# Altium PCB controller_V1.3.PcbDoc (part 2 of 6)
Units mil, origin at the board's own origin, x right, y up, seen from the top; angles counter-clockwise.
Board outline 9606 x 5905.51 mil, 2 copper layers (Top Layer, Bottom Layer); 441 components, 367 nets, 1496 pads, 5349 vias.
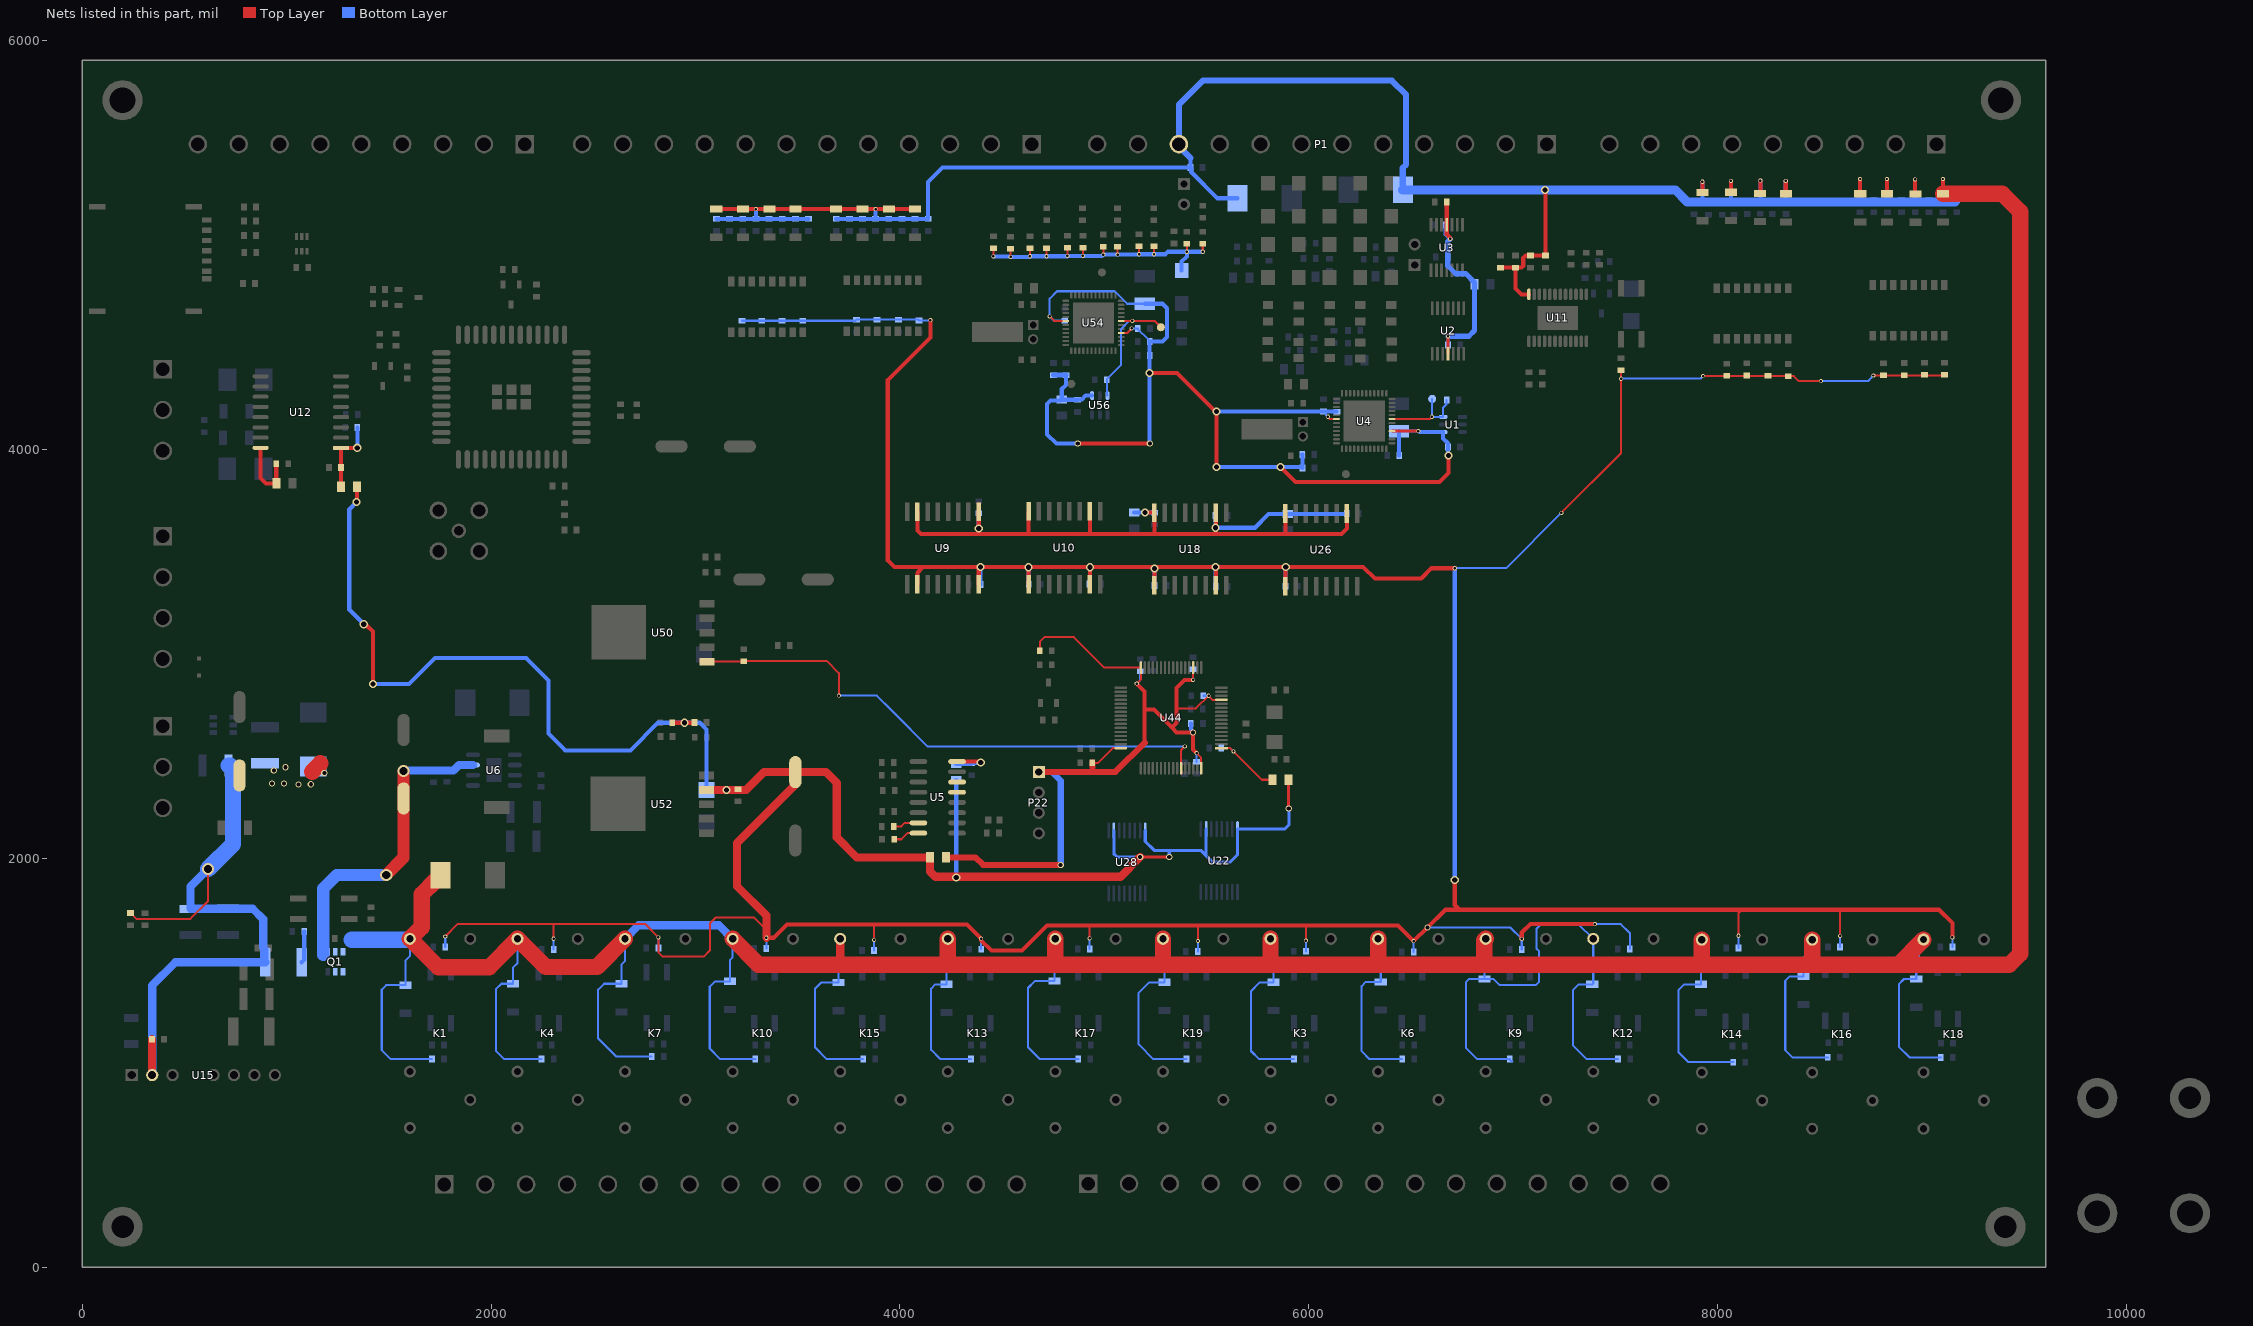
[diagram p2: the nets of this part, all layers, seen from the top]

## Part data
C1 C15 C27 C35 C36 C37 C38 C39 C40 C41 C54 C62 C67 C68 C87 C88 C89 C90 C91 C93 C95 C96 C98 C102 C104 C106 C107 C109 C110 C111 C112 C118 C137 C143 C144 C145 C156 C162: library part CAP, "Capacitor"
C2 C3 C4 C5 C6 C7 C8 C13 C16 C17 C18 C19 C20 C21 C22 C23 C24 C25 C26 C43 C47 C48 C49 C56 C57 C58 C59 C63 C65 C73 C76 C78 C79 C80 C84 C85 C86 C108 C114 C115 C116 C117 C119 C120 C121 C122 C123 C124 C125 C126 C127 C128 C133 C134 C135 C136 C138 C141 C146 C147 C151 C153 C157 C159 C160 C161 C163 C164 C165 C166 C167 C168 C169: library part Cap, "Capacitor", LatestRevisionDate=17-Jul-2002, LatestRevisionNote="Re-released for DXP Platform.", PackageReference=RAD-0.3, Published=8-Jun-2000, Publisher="Altium Limited"
  C2 C3 C4 C5 C6 C7 C8 C13 C16 C17 C18 C19 C20 C21 C22 C23 C24 C25 C26 C43 C47 C48 C49 C56 C57 C58 C59 C63 C65 C73 C76 C78 C79 C80 C84 C85 C86 C108 C114 C115 C116 C117 C119 C120 C121 C122 C123 C124 C125 C126 C127 C128 C133 C134 C135 C136 C138 C141 C146 C147 C151 C153 C157 C159 C160 C161 C163 C164 C165 C166 C167: PackageDescription="Radial Cap, Thru-Hole; 2 Leads; 0.3 in Pin Spacing"
C9 C10 C11 C12 C14: library part C
C44 C113 C142 E138 E147: library part "Cap Pol1", "Polarized Capacitor (Radial)", LatestRevisionDate=17-Jul-2002, LatestRevisionNote="Re-released for DXP Platform.", PackageReference=RB7.6-15, Published=8-Jun-2000, Publisher="Altium Limited"
C45 C46: library part C, "C"
D1 D2 D3 D5 D6 D7 D9 D10 D11 D12 D72: library part Diode, "Default Diode", Code_JEDEC=DO-214-AB, LatestRevisionDate=17-Jul-2002, LatestRevisionNote="Re-released for DXP Platform.", PackageReference=SMC, PackageVersion=Sep-1996, Published=8-Jun-2000, Publisher="Altium Limited"
D4 D13 D14 D15 D16 D17 D18 D19 D20 D21 D23 D24 D25 D27 D28 D29 D30 D31 D32 D33 D34 D36 D37 D38 D39 D40 D41 D42 D43 D45 D49: "VISHAY,LL4148,圆柱体MiniMELF100V/2A,ROHS", 制造商=VISHAY, 名称=快速开关二极管, 版本=V1.00, 物料编号=APLLY
D8: library part "Diode 1N4001", "1 Amp General Purpose Rectifier", Code_JEDEC=DO-204-AL, ComponentLink1Description="Manufacturer Link", ComponentLink1URL=http://www.fairchildsemi.com/, ComponentLink2Description=Datasheet, ComponentLink2URL=http://www.fairchildsemi.com/ds/1N%2F1N4001.pdf, DatasheetVersion=1998, LatestRevisionDate=17-Jul-2002, LatestRevisionNote="Re-released for DXP Platform.", PackageReference=DO-41, PackageVersion=Aug-1999, Published=8-Jun-2000, Publisher="Altium Limited"
D22: library part "D Zener", "Zener Diode", LatestRevisionDate=17-Jul-2002, LatestRevisionNote="Re-released for DXP Platform.", PackageReference=DIODE-0.7, Published=8-Jun-2000, Publisher="Altium Limited"
D26 D35 D69 D71 D78 D79: library part "DIODE S", "Schottky Diode"
D52 D75 D76: library part "D Zener", "SMBJ36CA", LatestRevisionDate=17-Jul-2002, LatestRevisionNote="Re-released for DXP Platform.", PackageReference=DIODE-0.7, Published=8-Jun-2000, Publisher="Altium Limited"
E13 E14: library part ELECTRO1, "Electrolytic Capacitor"
F1 F2 F3 F4 F7 F8: library part "Fuse 1", "Fuse", LatestRevisionDate=17-Jul-2002, LatestRevisionNote="Re-released for DXP Platform.", PackageReference=PIN-W2/E2.8, Published=8-Jun-2000, Publisher="Altium Limited"
  F1 F2 F3 F4: PackageDescription="Thru-Hole; 2 Leads"
FB1 FB2 FB3 FB4 FB5 FB6 FB7 FB8 FB9: library part FB, FB=BLM18BD102SN1(muRata), Part Field 1="磁珠/0603/1K ohm/100MHz", Text Field1=FB
K1 K3 K4 K6 K7 K9 K10 K12 K13 K14 K15 K16 K17 K18 K19: library part Relay-SPDT, "Single-Pole Dual-Throw Relay", LatestRevisionDate=17-Jul-2002, LatestRevisionNote="Re-released for DXP Platform.", PackageReference=MODULE5B, Published=24-Mar-1999, Publisher="Altium Limited"
L3: library part INDUCTOR
LED2 LED17: library part LED
P1 P5: "Header, 12-Pin", LatestRevisionDate=17-Jul-2002, LatestRevisionNote="Re-released for DXP Platform.", Publisher="Altium Limited"
P2 P4: "Header, 2-Pin", LatestRevisionDate=17-Jul-2002, LatestRevisionNote="Re-released for DXP Platform.", Publisher="Altium Limited"
P3 P11: "Header, 9-Pin", LatestRevisionDate=17-Jul-2002, LatestRevisionNote="Re-released for DXP Platform.", Publisher="Altium Limited"
P6 P10: "Header, 3-Pin", LatestRevisionDate=17-Jul-2002, LatestRevisionNote="Re-released for DXP Platform.", Publisher="Altium Limited"
P7 P8: "Header, 15-Pin", LatestRevisionDate=17-Jul-2002, LatestRevisionNote="Re-released for DXP Platform.", Publisher="Altium Limited"
P9 P22: "Header, 4-Pin", LatestRevisionDate=17-Jul-2002, LatestRevisionNote="Re-released for DXP Platform.", Publisher="Altium Limited"
P24: "Header, 5-Pin", LatestRevisionDate=17-Jul-2002, LatestRevisionNote="Re-released for DXP Platform.", Publisher="Altium Limited"
Q1 Q2: "Automotive P-Channel MOSFET, 6.9 A, 40 V, -55 to 175 degC, 6-Pin TSOP, RoHS, Tape and Reel", Drain-Source On Resistance-Max=112mO, Drain-to-Source Voltage [Vdss]=40V, Manufacturer="International Rectifier", Package Description="6-Pin Thin Small Outline Package, Body 3 x 1.65 mm, Pitch 1.00 mm", Package Reference=TSOP-6, Rated Power Dissipation=2W, Channel Type=P-Channel, Datasheet URL=https://www.vishay.com/docs/65332/sq3419aeev.pdf, Datasheet Version=04/2010, Manufacturer URL=https://www.vishay.com/, Mounting Technology=SurfaceMount, Qg Gate Charge=25nC
Q3 Q4 Q5 Q6 Q11: library part NPN_MMBT3904
R1 R2 R3 R4 R5 R6 R7 R8 R9 R10 R11 R12 R13 R14 R15 R16 R17 R18 R19 R20 R22 R23 R24 R25 R27 R28 R29 R30 R31 R32 R33 R34 R35 R36 R38 R41 R42 R43 R44 R45 R46 R47 R48 R71 R72 R73 R75 R80 R81 R82 R86 R87 R89 R92 R93 R96 R97 R105 R108 R109 R113 R114 R115 R116 R117 R118 R122 R123 R125 R126 R129 R133 R137 R141 R145 R149 R151 R153 R155 R157 R159 R168 R189 R190: library part Res0805M
R21 R26: library part R
R37 R40 R64 R162 R163 R164 R165 R166 R170 R171: library part RES0603, ID=233, 制造商=三星/YAGEO, 参数值=1.00E+04, 器件等级=——, 工作温度="–55°C to 155°C", 序号=109, 物料主编码(PN)=150000040, 物料名称=贴片电阻, 物料描述=RES,贴片电阻,0603,10k,±1%,1/10W,1.6X0.8X0.45mm,RC1608F103CS/RC0603FR-0710KL, 物料类型=表贴电阻, 精度=±1%, 规格型号(完整型号)=RC1608F103CS/RC0603FR-0710KL
R39 R76 R102 R110 R180 R181 R183 R184 R185 R186 R192 R193 R194 R195 R199 R200 R204 R205 R206 R207 R211 R212 R216 R217 R218 R219 R223 R224 R227: library part R, "R"
R49 R106 R107 R124 R127 R128 R131 R135 R139 R142 R147 R150 R152 R154 R156 R158 R160: library part RES2
R111 R120 R121 R226: library part Res2, "Resistor", LatestRevisionDate=17-Jul-2002, LatestRevisionNote="Re-released for DXP Platform.", PackageReference=AXIAL-0.4, Published=8-Jun-2000, Publisher="Altium Limited"
R179: library part Res1, "Resistor", LatestRevisionDate=17-Jul-2002, LatestRevisionNote="Re-released for DXP Platform.", PackageReference=AXIAL-0.3, Published=8-Jun-2000, Publisher="Altium Limited"
U1 U56: "2.5V Micropower SOT-23  Low Dropout Reference"
U2 U3: library part MAX908EPD, "Quad High-speed, Ultra Low-power, Single-Supply TTL comparator", Code_JEDEC=MS-001-AC, ComponentLink1Description="Manufacturer Link", ComponentLink1URL=http://www.maxim-ic.com/, ComponentLink2Description=Datasheet, ComponentLink2URL=http://pdfserv.maxim-ic.com/en/ds/MAX907-MAX909.pdf, DatasheetVersion=Jul-1994, LatestRevisionDate=29-May-2009, LatestRevisionNote="Component Body Added.", PackageDescription="DIP, 14-Pin, Row Spacing 7.62 mm, Pitch 2.54 mm", PackageReference=PD14, PackageVersion="RevB, 21-0043", Published=16-Jan-2001, Publisher="Altium Limited"
U4 U54: "16-Channel, 16-Bit Analog-to-Digital Converter"
U6: library part LM22676MR-5.0
U7 U8 U17 U25: library part TLP281-4
U15: library part VRB2405S-6WR3_1, input voltage (Vdc)=18V~36V, Insulated Voltage=1600V, JLCPCB Part Class="Extended Part", LCSC Part Name="DC-DC 输入电压18V~36V 输出电压5V输出功率6W1200mA", Manufacturer=YLPTEC(易川), Maximum Capacitive Load=1000uF, Output Current (Max)=1200mA, Output Voltage=5V, Power=6W, Add into BOM=yes, Conversion Efficiency=83%, Convert to PCB=yes, Datasheet=https://atta.szlcsc.com/upload/public/pdf/source/20230612/8A284C0EB4CAD53F2D8A542BA70C1C2A.pdf, Device=VRB2405S-6WR3_1, Manufacturer Part=VRB2405S-6WR3, Number of channel=1, Protective function=短路保护；低功耗, Supplier=LCSC, Supplier Footprint=SIP-8, Supplier Part=C5369848, Symbol=VRB2405S-6WR3_C5369848, Type=降压型
U16 U19 U20 U21 U23 U29 U31 U33 U35 U37 U38 U39 U40 U41 U42 U45 U46: library part Optoisolator1, "4-Pin Phototransistor Optocoupler", DatasheetVersion=Nov-2003, LatestRevisionDate=04-Mar-2005, LatestRevisionNote="Sch pins 3 & 4 Swapped.", PackageReference=DIP-4, Published=24-Mar-1999, Publisher="Altium Limited"
U22 U28: library part 74HC595
U26: library part ISO7241C
U44: "ARM Cortex-M4 32-bit MCU+FPU, 210 DMIPS, 1024 kB Flash, 192 kB Internal RAM, 51 I/Os, 64-pin LQFP, -40 to 85 degC, Tray", I/Os (High Current)=51, Manufacturer=STMicroelectronics, Operating Frequency(F) (Processor speed) (MHz)=168, Supplier Part Number 1=497-11767-ND, Supply Voltage(Vcc) max (V)=3.6, Supply Voltage(Vcc) min (V)=1.8, ComponentLink1Description="Manufacturer URL", ComponentLink1URL=http://www.st.com/web/en/home.html, ComponentLink2Description=Datasheet, ComponentLink2URL=http://www.st.com/st-web-ui/static/active/en/resource/technical/document/datasheet/DM00037051.pdf, ComponentLink3Description="Package Specification", ComponentLink3URL=http://www.st.com/st-web-ui/static/active/en/resource/technical/document/datasheet/DM00037051.pdf, Core="ARM Cortex-M4", D/A Converter=2x12-bit, DatasheetVersion="Rev. 4", FLASH Size (Prog) (kB)=1024, Internal RAM Size (kB)=192, Mounting Technology="Surface Mount", PackageDescription="64-Pin Low Profile Quad Flat Package, 10 x 10 mm Body, 0.5 mm Pitch", PackageReference=LQFP64, PackageVersion="Rev. 4, 06/2013", Packing=Tray, PartNumber=STM32F405RGT6, Supplier 1=Digi-Key, Supplier 2=Farnell, Supplier 3=Newark, Supplier 4=Mouser, Supplier Part Number 2=2064363, Supplier Part Number 3=73T2329, Supplier Part Number 4=511-STM32F405RGT6
X2 X3: library part XTAL, "Crystal Oscillator", LatestRevisionDate=17-Jul-2002, LatestRevisionNote="Re-released for DXP Platform.", PackageReference=R38, Published=8-Jun-2000, Publisher="Altium Limited"
Y1: library part CRYSTAL, "HC49S-8MHz"
LD1 LD3: ID=6, 制造商=Everlight, 器件等级=——, 工作温度="–40°C to 85°C", 序号=33, 物料主编码(PN)=100000032, 物料名称=绿色LED, 物料描述=Other,LED,绿色,0603,1.6X0.8X0.4mm,19-217/G7C-AN1P2/3T, 物料类型=特殊二极管, 规格型号(完整型号)=19-217/G7C-AN1P2/3T
U13: PCB DECAL=AIR780EX

## Via types
v1: diameter 20, hole 12, Top Layer to Bottom Layer, tented both sides, 5236 vias
v2: diameter 23.62, hole 11.81, Top Layer to Bottom Layer, 50 vias
v3: diameter 40, hole 25, Top Layer to Bottom Layer, tented both sides, 39 vias
v4: diameter 30, hole 20, Top Layer to Bottom Layer, tented both sides, 16 vias
v5: diameter 60, hole 40, Top Layer to Bottom Layer, tented both sides, 7 vias
v6: diameter 59.06, hole 39.37, Top Layer to Bottom Layer, 1 vias

## Nets (pads, with @x,y where several pads share a name; then routed paths per layer and width w, separated by ;. In a path a pad name is that pad's centre, name@x,y a point inside that pad or via, vN(x,y) a via of type N, cw(c..) or ccw(c..) an arc to the next point about the centre after c; other vN are vias at no path point)
2.5VREFM: C1.1 TP1.1 U1.6 U4.31 | length 433.1
  Top Layer w10: U4.31@6407.99,4148.84 6591.84,4148.84 v1(6603,4160)
  Bottom Layer w10: TP1.1@6604.74,4247.27 6604.74,4161.74 v1(6603,4160) 6603.6,4159.4 U1.6@6658.45,4159.4 6658.45,4205.35 6675.69,4222.59 C1.1@6675.69,4242
2.5VREFM2: C156.1 TP6.1 U54.31 U56.6 | length 633
  Top Layer w10: U54.31@5082.99,4628.84 5246.01,4628.84 TP6.1@5276.85,4598
  Bottom Layer w10: U56.6@5015.57,4263.66 5014.37,4264.86 5014.37,4340.22 C156.1@5013.17,4341.42 5013.17,4344.37 5082.99,4414.2 5082.99,4589.47 5122.36,4628.84 v1(5137.35,4628.84)
3.3V_ISO: C57.1 C73.1 C146.2 C147.2 C161.2 C163.2 C166.2 D71.2 E147.1 FB5.1 FB6.1 FB7.2 FB9.1 R10.1 R16.1 R32.1 R34.1 R36.1 R41.1 R43.1 R47.1 R82.1 R87.1 R93.1 R97.1 R106.2 R107.2 R109.1 R114.1 R116.1 R118.1 R124.2 R127.2 R128.2 R131.2 R135.2 R139.2 R142.2 R147.2 R150.2 R152.2 R154.2 R156.2 R158.2 R160.2 R184.2 R185.1 U9.10 U9.16 U10.1 U10.7 U18.1 U18.7 U22.10 U22.16 U26.1 U28.10 U28.16 U52.4 | length 30823.2
  Top Layer w10: v1(1775.85,1617.15) 1837.7,1679 2753,1679 v1(2818.85,1613.15) 2818.85,1539.15 2839,1519 3041,1519 3071,1549 3071,1682 3098,1709 3287,1709 3346.85,1649.15 ; v1(2305.85,1606.15) 2305.85,1676.85 ; v1(3873.85,1600.15) 3873.85,1673.15 ; v1(4928.91,1608.15) 4928.91,1668.09 ; v1(5457.91,1595.15) 5457.91,1669.91 ; v1(5986.91,1597.15) 5986.91,1664.91 ; v1(7237,3690) 7528.54,3981.54 v1(7528.54,4346.15) R106.2@7528.54,4387.05 ; v1(7930,4359) 8045.06,4359 R47.1@8046,4359.94 R41.1@8248,4359.94 8346,4359.94 R36.1@8347,4358.94 8374.06,4358.94 8399,4334 v1(8506,4334) ; v1(8103.28,1620.72) 8103.28,1732.28 8119,1748 ; 8591,1748 8600.06,1738.94 v1(8600.06,1620.06) ; v1(8763,4362) 8764,4363 R34.1@8812,4363 9109,4363 R10.1@9112,4366
  Top Layer w15: v4(5176,2006) v4(5318,2006) ; FB6.1@5901.85,2384 5901.85,2244.15 v4(5903,2243)
  Top Layer w20: v3(1342,3743) 1343.74,3744.74 FB7.2@1343.74,3818 ; v3(1377,3145) 1382.41,3145 1392.41,3135 1396,3135 1422,3109 v3(1422,2852) ; R184.2@2886.91,2663 v3(2946,2663) 2994,2663 R185.1@2995,2664 ; v1(3346.85,1611.15) 3383.15,1611.15 3448,1676 4329,1676 v1(4397.85,1607.15) 4397.85,1598.5 4448.35,1548 4597,1548 4720,1671 6437.06,1671 v1(6513.91,1594.15) v4@6581.38,1661.62 ; U9.10@4085.85,3339.9 4085.85,3396.85 4114,3425 ; v1(4149.61,4633.14) 4149.61,4548.7 3941,4340.09 3941,3457 3973,3425 4114,3425 ; U9.16@4385.85,3339.9 v3@4385.85,3413.85 ; U10.1@4629.85,3340.9 v3@4629.85,3416.15 ; U10.7@4929.85,3340.9 v3(4929.85,3423.85) ; U18.1@5245.85,3334.9 v3(5245.85,3417.85) ; U18.7@5545.85,3334.9 v3@5545.85,3422.15 ; U26.1@5886.85,3330.87 5886.85,3423.85 v3(5888,3425) ; v4(6582,1661) 6669,1748 6737.84,1748 ; v3(6715,1894) 6715,1770.84 6737.84,1748 ; v1(6715,3419) 6602,3419 6551,3368 6324,3368 6267,3425 v3(5888,3425) ; v1(7042.85,1605.15) 7042.85,1635.85 7085,1678 v1(7401,1678) ; v1(9150,1613) 9150,1683 9085,1748 8591,1748 8119,1748 6737.84,1748 ; 4114,3425 v3(5545,3425) v3(5888,3425)
  Top Layer w40: U52.4@3054.52,2334.15 3248.15,2334.15 3335.32,2421.32 E147.1@3488.85,2421.32 ; v1(3346.85,1611.15) 3346.85,1649.15 3346.85,1719.15 3203,1863 3203,2074 3488.85,2359.85 E147.1@3488.85,2421.32 ; v4(5176,2006) 5079,1909 4174,1909 4148,1935 FB5.1@4148,2004 3789,2004 3691.61,2101.39 3691.61,2368.39 3638.68,2421.32 E147.1@3488.85,2421.32
  Bottom Layer w10: R107.2@1775.85,1565 v1(1775.85,1617.15) ; R127.2@2305.85,1554 v1(2305.85,1606.15) ; R131.2@2818.85,1561 v1(2818.85,1613.15) ; R97.1@3227.18,4629.79 R93.1@3324.06,4629.79 R87.1@3423.5,4629.79 R82.1@3525,4629.79 R118.1@3783.47,4629.79 ; R135.2@3346.85,1559 v1(3346.85,1611.15) ; R118.1@3788.47,4634.79 R116.1@3888.94,4634.79 R114.1@3993,4634.79 4090.27,4634.79 R109.1@4094,4631.06 4147.52,4631.06 v1(4149.61,4633.14) ; R142.2@3873.85,1548 v1(3873.85,1600.15) ; R139.2@4397.85,1555 v1(4397.85,1607.15) ; R147.2@4928.91,1556 v1(4928.91,1608.15) ; R150.2@5457.91,1543 v1(5457.91,1595.15) ; R152.2@5986.91,1545 v1(5986.91,1597.15) ; R154.2@6513.91,1542 v1(6513.91,1594.15) ; v4(6582,1661) 6987,1661 v1(7042.85,1605.15) R156.2@7042.85,1553 ; v1(6715,3419) 6966,3419 v1(7237,3690) ; v1(7401,1678) 7528,1678 7571.91,1634.09 R158.2@7571.91,1556 ; v1(7528.54,4346.15) 7917.15,4346.15 v1(7930,4359) ; R160.2@8103.28,1560.38 v1(8103.28,1620.72) ; v1(8506,4334) 8737.03,4334 8753.75,4350.72 8753.75,4352.75 v1(8763,4362) ; R124.2@8600.06,1566.15 v1(8600.06,1620.06) ; R128.2@9150.06,1565.15 v1@9150.06,1612.94
  Bottom Layer w15: U28.10@5047.26,2135 5047.26,2021.74 5063,2006 v4(5176,2006) ; U28.16@5200.8,2135 5200.8,2082.2 5244.56,2038.44 5319,2038.44 ; v4(5318,2006) 5318,2037.44 5319,2038.44 ; U22.10@5498.67,2142.09 5498.67,2012.21 ; v4(5903,2243) 5903,2163 5882.09,2142.09 U22.16@5652.21,2142.09 5652.21,2017.21 5617.5,1982.5 5528.38,1982.5 5498.67,2012.21 ; 5319,2038.44 5472.44,2038.44 5498.67,2012.21
  Bottom Layer w20: v3(1342,3743) 1306,3707 1306,3216 v3(1377,3145) ; v3(1422,2852) 1599,2852 1726,2979 2172,2979 2281,2870 2281,2610 2363,2528 2682,2528 2817,2663 v3(2946,2663) 3021,2663 3054.52,2629.48 D71.2@3054.52,2334.15 ; v3(4276,1906) FB9.1@4276,2383 ; C163.2@4394.91,3339.9 v3(4394.91,3424.91) ; C57.1@4629.85,3340.9 v3(4629.85,3423.85) ; C147.2@4929.85,3340.9 v3(4929.85,3423.85) ; C166.2@5245.85,3334.9 v3(5245.85,3417.85) ; C161.2@5544.8,3329 v3@5544.8,3425 ; C73.1@5886.85,3330.87 v3@5886.85,3425 ; v3(6715,1894) v1(6715,3419)
  Bottom Layer w30: D71.2@3054.52,2334.15 v3(3151.34,2334.15)
3.3V_ISO_AD: D72.2 R192.2 R193.2 R194.2 R195.2 R204.2 R205.2 R206.2 R207.2 R216.2 R217.2 R218.2 R219.2 | length 1615.8
  Top Layer w10: v1(4457.51,4944.49) R217.2@4457.51,4983.79 ; v1(4541.51,4942.23) R216.2@4541.51,4981.53 ; v1(4636.51,4945.33) R195.2@4636.51,4984.63 ; v1(4717.51,4945.39) R194.2@4717.51,4984.69 ; v1(4819.51,4947.33) R205.2@4819.51,4986.63 ; v1(4895.51,4947.33) R204.2@4895.51,4986.63 ; v1(4995.51,4953.33) R207.2@4995.51,4992.63 ; v1(5065.51,4953.33) R206.2@5065.51,4992.63 ; v1(5170.51,4955.33) R219.2@5170.51,4994.63 ; v1(5243.51,4955.33) R218.2@5243.51,4994.63 ; v1(5403.95,4967.49) R193.2@5403.95,5006.79 ; v1(5481.95,4967.49) R192.2@5481.95,5006.79
  Top Layer w15: R217.2@4457.51,4983.79 R217.2@4458.64,4982.66 ; R216.2@4540.38,4982.66 R216.2@4541.51,4981.53 R216.2@4543.09,4983.11 ; R194.2@4715.93,4983.11 R194.2@4717.51,4984.69 R194.2@4718.48,4985.66
  Bottom Layer w20: v1(4457.51,4944.49) 4539.25,4944.49 v1(4541.51,4942.23) 4633.41,4942.23 v1(4636.51,4945.33) 4817.51,4945.33 v1(4819.51,4947.33) v1(4895.51,4947.33) 4989.51,4947.33 v1(4995.51,4953.33) v1(5065.51,4953.33) v1@5168.51,4953.33 ; v1(5170.51,4955.33) v1(5243.51,4955.33) 5300.33,4955.33 5312.49,4967.49 v1(5403.95,4967.49) ; D72.2@5379,4875.71 5379,4920 5403.95,4944.95 v1(5403.95,4967.49) ; v1(5481.95,4967.49) v1(5403.95,4967.49)
3.3V_MCU: C123.2 C124.2 C125.2 C126.2 C127.2 FB5.2 LD1.1 P22.1 R168.2 U44.13 U44.19 U44.32 U44.48 U44.64 | length 4279.4
  Top Layer w10: LD1.1@4685,3015 4685,3059.69 4706.87,3081.56 4851.44,3081.56 5000.3,2932.7 U44.32@5179.25,2932.7 5179.25,2874.25 v1(5159,2854) ; C126.2@4942.06,2467 4970,2467 5042,2539 U44.48@5080.83,2539 ; 5353,2733 5448.55,2733 v1(5510.55,2795) ; v1(5434.85,2872.45) 5435.16,2872.75 U44.19@5435.16,2932.7 ; v1(5452,2514) 5474.53,2491.47 U44.64@5474.53,2440.57 ; v1@5510.55,2794 5529.33,2775.22 U44.13@5572.95,2775.22
  Top Layer w20: v1(5159,2854) 5198,2815 5198,2727 ; 5198,2565 5198,2727 ; v1(5434.85,2872.45) 5393.45,2872.45 5353,2832 5353,2733 5353,2661 5331,2639 ; v1(5452,2514) 5434.85,2531.15 v4(5434.85,2616) 5354,2616 5331,2639 ; 5198,2727 5243,2727 5331,2639
  Top Layer w30: FB5.2@4226.74,2004 4370,2004 4407,1967 v4(4787,1967) ; P22.1@4680,2422 5055,2422 5198,2565 ; 4942.06,2443.4 C126.2@4942.06,2467
  Bottom Layer w10: v1(5159,2854) 5175.85,2870.85 C124.2@5175.85,2914.94 ; v1(5434.85,2872.45) C123.2@5434.85,2923.94 ; C127.2@5452,2472.06 v1(5452,2514) ; C125.2@5485.01,2795 v1(5510.55,2795)
  Bottom Layer w20: R168.2@5423.9,2659 5423.9,2626.95 v4(5434.85,2616)
  Bottom Layer w30: P22.1@4680,2422 4744,2422 4787,2379 4787,2217 ; v4(4787,1967) 4787,2217 ; 4787,2289 4787,2217
3.3V_MCU_AD: C128.2 FB6.2 U44.1 | length 381.6
  Top Layer w10: U44.1@5572.95,2539 5616,2539 5771,2384 FB6.2@5823.11,2384
  Bottom Layer w10: C128.2@5572.01,2539 5616,2539 v1(5632.47,2522.53)
3.8V_EN: R183.2 U44.59 U50.1 | length 2753.7
  Top Layer w10: U50.1@3057.07,2961.47 3233.47,2961.47 R183.2@3236,2964 3644,2964 3702,2906 v1(3702,2796) ; U44.59@5376.1,2440.57 5375.79,2440.89 5375.79,2528.79 v1(5394,2547)
  Bottom Layer w10: v1(3702,2796) 3887,2796 3970,2713 ; 3925,2758 3970,2713 ; v1(5394,2547) 5393,2546 5126,2546 4137,2546 3970,2713
5V_F: C47.2 C49.2 C58.2 FB4.2 R24.2 U2.4 U3.4 | length 1072.8
  Top Layer w15: U2.4@6682,4469 v1(6682,4554)
  Top Layer w20: R24.2@6676,5211 U3.4@6676,5099 6676,5052 6693,5035 v1(6693,5030)
  Bottom Layer w15: C49.2@6681.94,4511 v1@6681.97,4553.97
  Bottom Layer w20: C47.2@6671.08,5099 6671.08,5051.92 v1(6693,5030)
  Bottom Layer w25: C58.2@6680.76,4941.24 C58.2@6680.5,4941.5 ; v1(6682,4554) 6784,4554 6812,4582 6812,4817 6769.5,4859.5 6720,4859.5 6680.5,4899.01 C58.2@6680.5,4941.5 ; v1(6693,5030) 6680.5,5017.5 C58.2@6680.5,4941.5
5VA: C2.2 C84.2 C85.2 C86.2 C121.2 C133.2 C157.2 E13.1 E14.1 FB2.2 R19.1 R20.1 R73.1 R75.1 R189.1 R190.1 U1.4 U4.6 U4.28 U54.6 U54.28 U56.4 | length 6264.4
  Top Layer w10: v1(4733,4651) 4755.16,4628.84 U54.6@4811.34,4628.84 ; U54.28@5082.99,4569.79 5111.79,4569.79 v1(5134,4592) ; v1(6094,4160) 6092.04,4160 6103.2,4148.84 U4.6@6136.34,4148.84
  Top Layer w15: U4.28@6407.99,4089.79 v1(6536.79,4089.79)
  Top Layer w20: v4(4870.38,4028.46) 4871.92,4030 v4(5223,4030) ; v3(5222.17,4374) 5356,4374 v3@5549,4181 ; v3(5549,3915) v3@5549,4181 ; v3(5549.06,4185.94) v3@5549,4181 ; v3(5862,3915) 5936,3841 6640,3841 6684,3885 v3(6684,3970)
  Bottom Layer w10: C86.2@4807.17,4629.95 4754.05,4629.95 v1(4733,4651) 4733,4738.19 4768.84,4774.03 5051.14,4774.03 5112.17,4713 E13.1@5198.85,4713 ; v1(5134,4592) C85.2@5164.8,4592 5164.8,4589.05 5213.11,4540.73 5213.39,4540.73 5222.17,4531.95 R19.1@5222.17,4529 ; C133.2@6085.78,4172.17 6085.78,4166.26 6092.04,4160 v1(6094,4160) ; C121.2@6137,4185.94 C121.2@6139,4183.94
  Bottom Layer w15: E14.1@6442.17,4089 6442.95,4089.79 v1(6536.79,4089.79)
  Bottom Layer w20: R75.1@4812.17,4364 4812.17,4316.17 4792.17,4296.17 FB2.2@4792.17,4244.16 ; v4(4870.38,4028.46) 4765.54,4028.46 4720,4074 4720,4223 4736.58,4239.58 4787.58,4239.58 FB2.2@4792.17,4244.16 ; U56.4@4940.76,4263.66 4909.46,4263.66 4890.82,4245.02 4870.03,4245.02 4868.35,4243.34 4792.98,4243.34 FB2.2@4792.17,4244.16 ; E13.1@5198.85,4713 5285,4713 5307,4691 5307,4550 5286,4529 R19.1@5222.17,4529 R189.1@5222.17,4459 v3(5222.17,4374) 5222.17,4030.83 v4(5223,4030) ; v3(5549,3915) v3(5862,3915) 5963.94,3915 R73.1@5969.94,3909 5969.94,3974.06 R20.1@5969,3975 ; v3(5549.06,4185.94) C133.2@6072,4185.94 C121.2@6137,4185.94 ; E14.1@6442.17,4089 6443.06,4088.11 C84.2@6443.06,3970 ; v1(6536.79,4089.79) 6541.98,4084.6 U1.4@6658.45,4084.6 6658.45,4053.65 6681.64,4030.46 C2.2@6681.64,4012 6681.64,3972.36 v3(6684,3970)
  Bottom Layer w25: R190.1@4752.17,4364 R75.1@4812.17,4364
5VD_F: C138.2 C160.2 C164.2 C165.2 FB1.2 FB3.2 U9.1 U9.7 U10.10 U10.16 U18.10 U18.16 U26.10 U26.16 | length 3847.1
  Top Layer w20: U9.7@4085.85,3695.9 4085.85,3604.15 4103,3587 6161,3587 6186.85,3612.85 U26.10@6186.85,3686.87 ; 4385.85,3587.15 U9.1@4385.85,3695.9 ; 4629.85,3596.15 U10.16@4629.85,3696.9 ; 4929.85,3592.15 U10.10@4929.85,3696.9 ; v3(5200.1,3690.9) U18.16@5245.85,3690.9 5245.85,3591.85 ; 5545.85,3590.15 U18.10@5545.85,3690.9 ; 5886.85,3590.15 U26.16@5886.85,3686.87
  Bottom Layer w20: v3(4386,3613) C138.2@4386,3687.94 ; FB3.2@5146.85,3690.74 5245.69,3690.74 C165.2@5246,3691.06 ; C164.2@5543.94,3677 v3(5543.94,3617.06) 5737.06,3617.06 5803.74,3683.74 FB1.2@5896.85,3683.74 6183.72,3683.74 C160.2@6186.85,3686.87
24V_F: C54.2 E138.1 F4.2 Q1.4 R25.2 R179.2 U6.7 | length 1713.6
  Top Layer w60: v5(1487,1918) 1572,2003 E138.1@1572,2292.68 1572,2426 v5(1571,2427)
  Bottom Layer w20: F4.2@1073,1491 1086.06,1504.06 R25.2@1086.06,1641
  Bottom Layer w40: v5(1571,2427) 1574,2430 C54.2@1717.85,2430 1816.91,2430 1842.91,2456 U6.7@1911.49,2456
  Bottom Layer w60: 1178.94,1526.27 1178.94,1851.94 1245,1918 v5(1487,1918)
24V_FO: C16.1 C18.1 C19.1 C20.1 C22.1 C23.1 C24.1 C26.1 C35.2 C36.2 C37.2 C56.1 C63.1 C65.1 C76.1 C78.1 C79.1 C80.1 C96.2 C108.1 C167.2 D4.2 D13.2 D14.2 D15.2 D16.2 D17.2 D18.2 D19.2 D20.2 D21.2 D23.2 D24.2 D25.2 D27.2 D28.2 D29.2 D30.2 D31.2 D32.2 D33.2 D34.2 D36.2 D37.2 D38.2 D39.2 D40.2 D41.2 D42.2 D43.2 D45.2 D49.2 D52.2 D75.2 D76.2 K1.4 K3.4 K4.4 K6.4 K7.4 K9.4 K10.4 K12.4 K13.4 K14.4 K15.4 K16.4 K17.4 K18.4 K19.4 P1.10 Q1.1 Q1.2 Q1.5 Q1.6 R9.2 R15.2 R31.2 R33.2 R35.2 R38.2 R42.2 R46.2 R81.2 R86.2 R92.2 R96.2 R108.2 R113.2 R115.2 R117.2 R122.2 R123.2 R125.2 R126.2 R129.2 R133.2 R137.2 R141.2 R145.2 R149.2 R151.2 R153.2 R155.2 R157.2 R159.2 U11.24 | length 38822
  Top Layer w20: D15.2@3101.61,5176.01 D14.2@3231.61,5176.01 D4.2@3488.61,5176.01 D18.2@3688.61,5176.01 D17.2@3816.61,5176.01 D16.2@3946.61,5176.01 D45.2@4074.61,5176.01 ; C37.2@6938.54,4889.95 C36.2@7011.87,4889.95 ; U11.24@7077.79,4759.16 7040.84,4759.16 7011.87,4788.13 C36.2@7011.87,4889.95 ; v3@7158.54,5269.53 C35.2@7158.54,4949 C96.2@7085.2,4949 7062.55,4949 7050,4936.45 7050,4898 7041.95,4889.95 C36.2@7011.87,4889.95 ; D43.2@7927,5256.9 v1(7927,5310) ; D42.2@8066,5257.9 v1(8066,5314) ; D41.2@8208,5252.9 8210,5254.9 v1(8210,5315) ; v1(8334.52,5313.94) 8334.52,5252.37 D40.2@8336,5250.9 ; v1(8698.51,5323.38) 8698.51,5251.39 D39.2@8699,5250.9 ; v1(8829.51,5323.38) 8829.51,5251.39 D38.2@8830,5250.9 ; v1(8967.86,5321.86) 8967.86,5249.86 D37.2@8968.35,5249.37 ; v1(9103.51,5323.38) 9103.51,5251.39 D36.2@9104,5250.9
  Top Layer w25: 3707,1479 3708.2,1480.2 3708.2,1520
  Top Layer w40: 3708.2,1520 K15.4@3708.2,1605.61
  Top Layer w80: D52.2@1753,1916 1753,1900.25 1743.79,1891.04 1728.04,1891.04 1660.42,1823.42 1660.42,1663.17 K1.4@1602.85,1605.61 1741.46,1467 1990.58,1467 K4.4@2129.17,1605.61 2266.8,1468 2517.92,1468 K7.4@2655.53,1605.61 ; K10.4@3181.87,1605.61 3308.47,1479 3707,1479 4234.54,1479 ; K13.4@4234.54,1605.61 4234.54,1479 ; K17.4@4760.88,1605.61 4760.88,1479 ; K19.4@5287.22,1605.61 5287.22,1479 ; K3.4@5813.56,1605.61 5813.56,1479 ; K6.4@6339.9,1605.61 6339.9,1479 ; K9.4@6866.24,1605.61 6859.85,1599.22 6859.85,1479 ; K14.4@7924,1601.61 7924,1487 7916,1479 ; K16.4@8463.72,1601.61 8463.72,1487.72 8455,1479 ; K18.4@9008.72,1602 8885.72,1479 ; D36.2@9104,5250.9 9394.1,5250.9 9482,5163 9482,1533 9428,1479 8885.72,1479 ; 4234.54,1479 4760.88,1479 ; 4760.88,1479 5287.22,1479 ; 5287.22,1479 5813.56,1479 ; 5813.56,1479 6339.9,1479 ; 6339.9,1479 6859.85,1479 ; 6859.85,1479 7916,1479 ; 7916,1479 8455,1479 ; 8455,1479 8885.72,1479
  Bottom Layer w10: K1.4@1602.85,1605.61 1602.85,1520.85 1580.85,1498.85 D49.2@1580.85,1378.9 1486.9,1378.9 1465,1357 1465,1061 1508.69,1017.31 R122.2@1710.8,1017.31 ; K4.4@2129.17,1605.61 2129.19,1487.19 2107.85,1465.85 D20.2@2107.85,1385.9 2050.9,1385.9 2023,1358 2023,1058 2063.69,1017.31 R125.2@2246.8,1017.31 ; K7.4@2655.53,1605.61 2655.53,1497.53 2638.85,1480.85 D23.2@2638.85,1385.9 2552.9,1385.9 2524,1357 2524,1118 2612,1030 R129.2@2785.94,1030 ; K10.4@3181.87,1605.61 3181.87,1514.87 3169.85,1502.85 D24.2@3169.85,1397.9 3095.9,1397.9 3070,1372 3070,1069 3121.69,1017.31 R133.2@3293.03,1017.31 ; K15.4@3708.2,1605.61 3700.85,1598.25 D27.2@3700.85,1391.9 3614.9,1391.9 3585,1362 3585,1075 3642.69,1017.31 R141.2@3820.44,1017.31 ; K13.4@4234.54,1605.61 4228.85,1599.91 D25.2@4228.85,1382.9 4173.9,1382.9 4153,1362 4153,1063 4198.69,1017.31 R137.2@4347.85,1017.31 ; K17.4@4760.88,1605.61 4756.85,1601.58 D28.2@4756.85,1398.9 4660.9,1398.9 4627,1365 4627,1076 4685.69,1017.31 R145.2@4872.8,1017.31 ; K19.4@5287.22,1605.61 5295.85,1596.98 D29.2@5295.85,1392.9 5219.9,1392.9 5168,1341 5168,1089 5239.69,1017.31 R149.2@5402.68,1017.31 ; K3.4@5813.56,1605.61 5813.56,1524.44 5828.85,1509.15 D30.2@5828.85,1392.9 5760.9,1392.9 5718,1350 5718,1057 5757.69,1017.31 R151.2@5928.8,1017.31 ; K6.4@6339.9,1605.61 6339.9,1508.1 6352.85,1495.15 D31.2@6352.85,1394.9 6279.9,1394.9 6259,1374 6259,1056 6297.69,1017.31 R153.2@6457.5,1017.31 ; K9.4@6866.24,1605.61 6859.85,1599.22 D32.2@6859.85,1408.9 ; R155.2@6996.64,1005.58 6993.69,1005.58 6984.91,1014.35 R155.2@6984.91,1017.31 6824.69,1017.31 6769,1073 6769,1394 6783.9,1408.9 D32.2@6859.85,1408.9 ; R157.2@7513.85,1017.31 7360.69,1017.31 7293,1085 7293,1355 7320.9,1382.9 D33.2@7387.85,1382.9 7392.57,1387.62 K12.4@7392.57,1605.61 7320.18,1678 7138,1678 7115,1655 7115,1558 7128,1545 7128,1395 7112,1379 6935.46,1379 6905.57,1408.9 D32.2@6859.85,1408.9 ; K14.4@7928,1595.76 7920,1587.76 D34.2@7920,1383.15 7837.15,1383.15 7809,1355 7809,1052 7858.85,1002.15 R159.2@8078,1002.15 ; K16.4@8447,1595.76 8447,1540 8422,1515 D19.2@8422,1422.15 8354.15,1422.15 8332,1400 8332,1061 8366.85,1026.15 R123.2@8540,1026.15 ; K18.4@8986,1603.61 8986,1482 8973,1469 D21.2@8973,1409.05 8913.05,1409.05 8888,1384 8888,1078 8940.85,1025.15 R126.2@9093,1025.15
  Bottom Layer w20: C65.1@3102.61,5128.11 C63.1@3231.46,5128.11 R92.2@3295.89,5128.11 ; v1@3295.89,5175.9 R92.2@3295.89,5128.11 ; R81.2@3553.61,5128.11 C108.1@3489.18,5128.11 C56.1@3360.32,5128.11 R92.2@3295.89,5128.11 ; C80.1@3688.61,5128.11 C79.1@3817.18,5128.11 R115.2@3881.46,5128.11 ; v1@3881.46,5175.47 R115.2@3881.46,5128.11 ; C167.2@5421.85,5380 4209,5380 4138.61,5309.61 R108.2@4138.61,5128.11 C76.1@4074.32,5128.11 C78.1@3945.75,5128.11 R115.2@3881.46,5128.11 ; 5421.85,5426.54 5421.85,5380.09 C167.2@5421.94,5380 5425.72,5376.22 5425.72,5357.28 5554,5229 D76.2@5652,5229 ; 7925.94,5211 7927,5212.06 v1(7927,5310) ; 8066,5224 v1(8066,5314) ; C20.1@8210,5212.06 v1(8210,5315) ; C18.1@8334.52,5211 v1(8334.52,5313.94) ; C24.1@8698.51,5220.57 v1(8698.51,5323.38) ; C22.1@8829.51,5221.97 v1(8829.51,5323.38) ; C19.1@8967.86,5219.06 v1(8967.86,5321.86) ; C16.1@9103.51,5219.28 v1(9103.51,5323.38)
  Bottom Layer w30: 5421.85,5426.54 5365.35,5483.04 P1.10@5365.35,5494 5365.35,5687.35 5483,5805 6407,5805 6476.63,5735.37 6476.63,5393.63 6460.88,5377.88 D75.2@6460.88,5270.07
  Bottom Layer w40: K7.4@2655.53,1605.61 2721.92,1672 3115.47,1672 K10.4@3181.87,1605.61
  Bottom Layer w45: D75.2@6460.88,5270.07 v3(7157,5270.07) 7793.93,5270.07 7853,5211 7925.94,5211 R38.2@8146,5211 R35.2@8268.33,5211 8334.52,5211 C18.1@8336,5211 R9.2@9162.94,5211
  Bottom Layer w80: 1319,1602 1599.24,1602 K1.4@1602.85,1605.61
  other v1: 3296,5176.01 3881,5176.01
24V_IN: C27.2 C44.1 C134.2 C135.2 C136.2 D26.2 F1.2 F4.1 R102.2 U15.2 | length 3250.9
  Top Layer w10: R102.2@235.85,1732.06 238.8,1732.06 247.58,1723.28 247.58,1720.32 264.91,1703 529,1703 615,1789 v5(615,1947)
  Top Layer w40: C27.2@340.94,1114 340.94,940.06 U15.2@342,939
  Top Layer w80: 1125,2424 1165,2464
  Bottom Layer w40: U15.2@342,939 342,1378 455,1491 F4.1@895.83,1491 890.24,1496.59 890.24,1558.09 885,1563.33 885,1702 834.05,1752.95 C136.2@713,1752.95 599.85,1752.95 599.74,1752.84 529.81,1752.84 C135.2@529.5,1752.53 529.5,1861.5 v5(615,1947)
  Bottom Layer w80: v5(615,1947) 737,2069 737,2432.8 736.12,2433.69 736.12,2440.85 722.97,2454 C134.2@715.8,2454
  other v4: 1058,2361 1118,2362 928,2365 987,2365 1184,2417 937,2430 995,2445
232_3V3: C9.1 FB9.2 U5.16 | length 229.6
  Top Layer w20: U5.16@4279.83,2473 4391,2473 v3(4396,2468)
  Bottom Layer w20: FB9.2@4276,2461.74 4348.74,2461.74 C9.1@4352,2465 v3@4386,2465
232_rxd1: U5.13
232_rxd2: R28.1 U5.8 | length 131.4
  Top Layer w10: R28.1@3971.85,2093 4007,2093 4037,2123 U5.8@4090.85,2123
232_txd1: U5.14
232_txd2: R27.1 U5.7 | length 127
  Top Layer w10: R27.1@3970.91,2156 4007,2156 4024,2173 U5.7@4090.85,2173
485_3.3V3: C45.2 FB7.1 R227.2 U12.1 | length 368.8
  Top Layer w20: FB7.1@1265,3818 1266,3819 C45.2@1266,3911 U12.1@1266,4008 v3(1345,4008)
  Bottom Layer w20: v3(1345,4008) 1346,4009 R227.2@1346,4107
485_5V: C46.2 FB8.1 U12.16 | length 333.1
  Top Layer w20: U12.16@872.3,4008 872.3,3859.7 898,3834 FB8.1@950,3834 948.94,3835.06 C46.2@948.94,3930